# Altium PCB RFID_RC632.PcbDoc
Units mil, origin at the board's own origin, x right, y up, seen from the top; angles counter-clockwise.
Board outline 3937.01 x 3937.01 mil, 2 copper layers (Top Layer, Bottom Layer); 55 components, 50 nets, 180 pads, 1 vias.
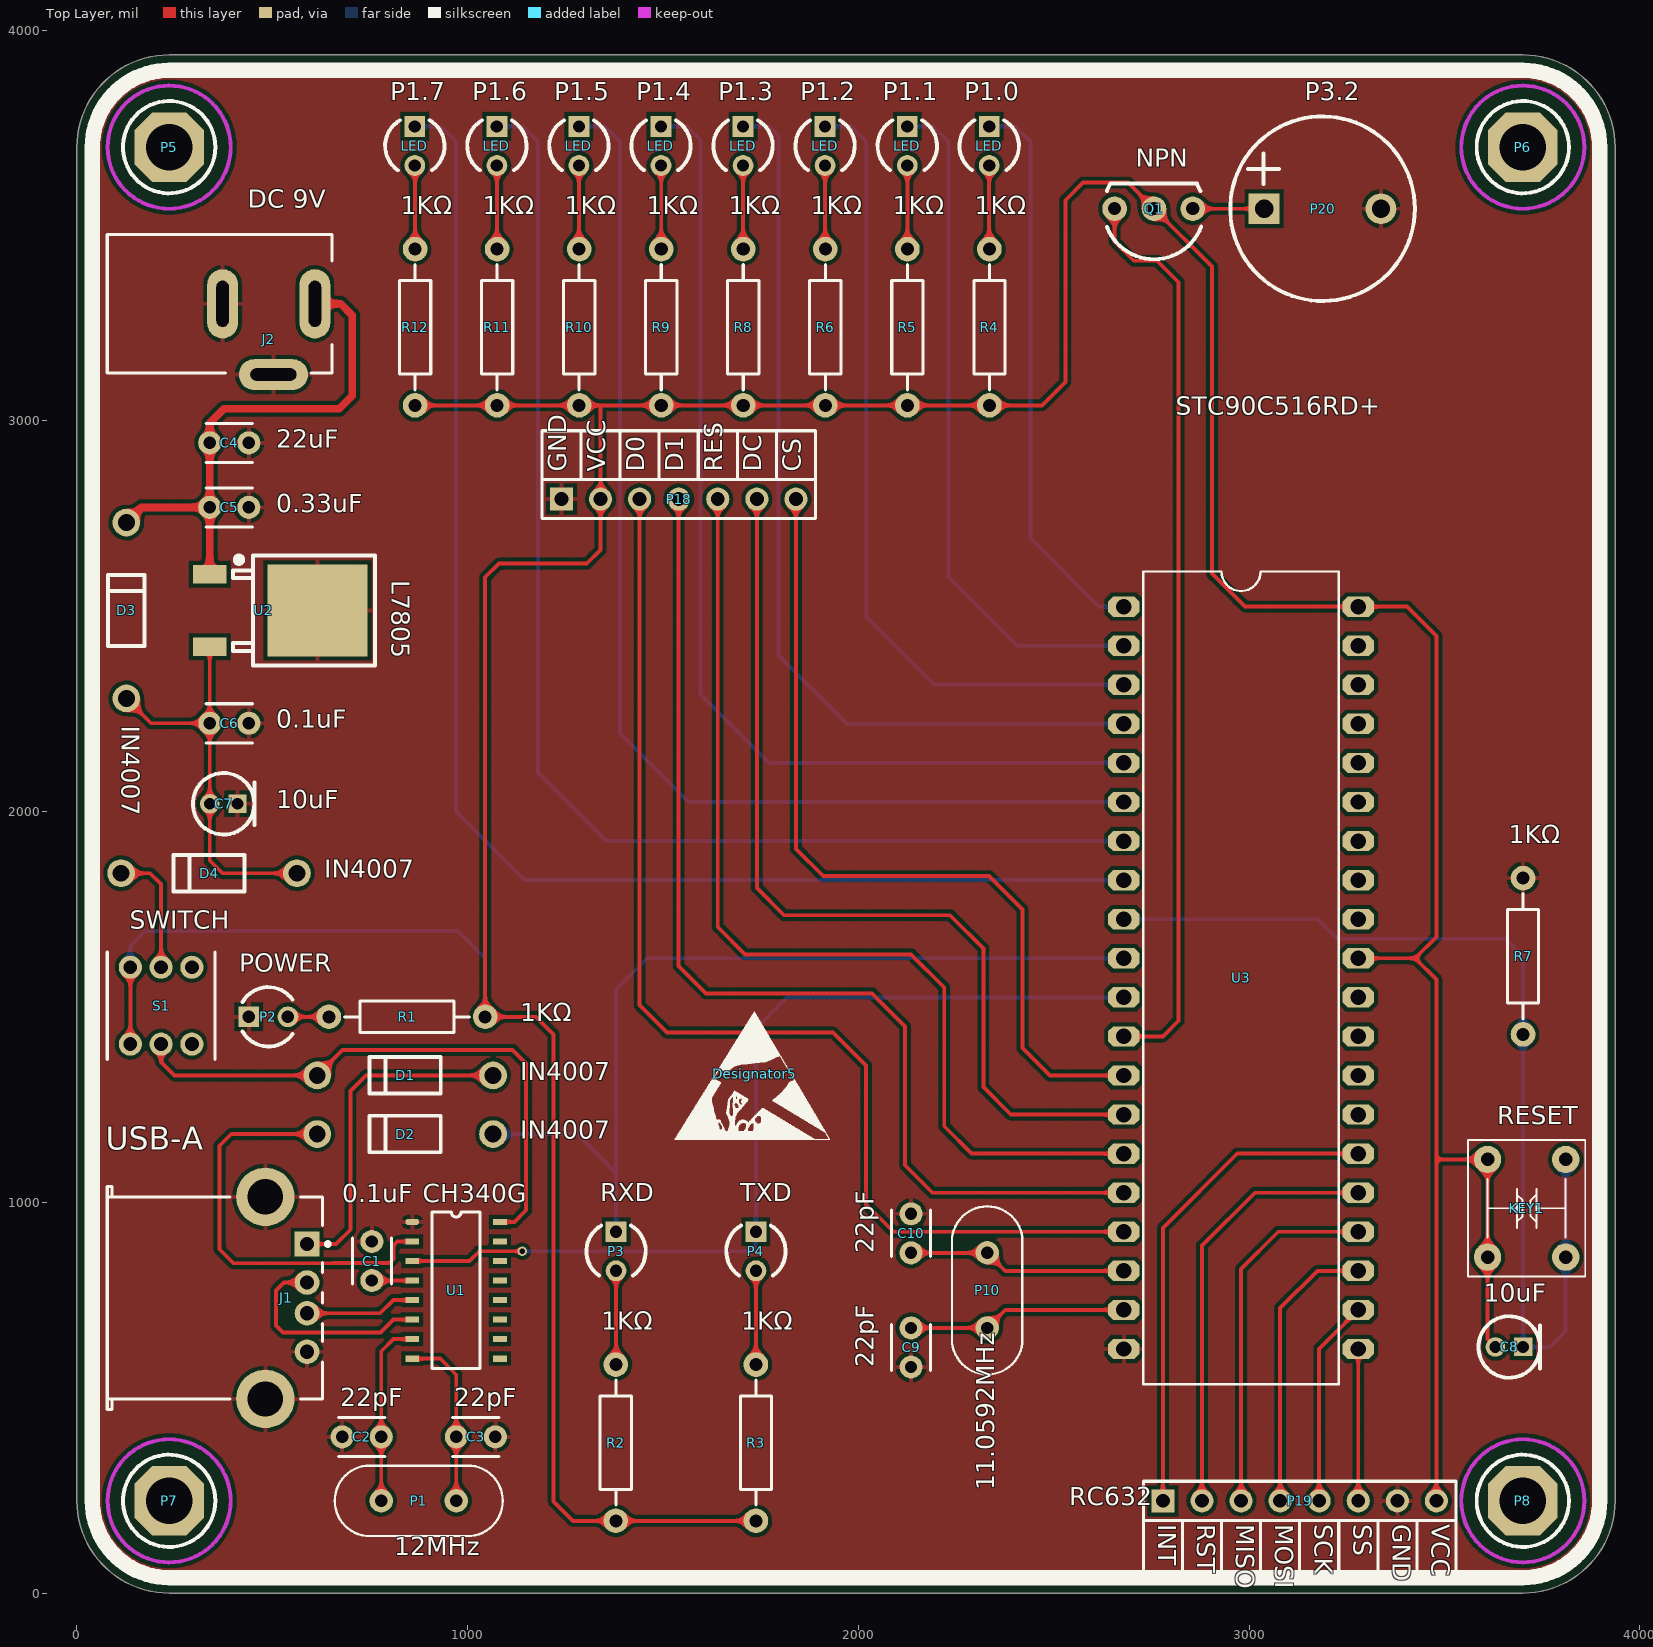
[diagram p0: Top Layer view]
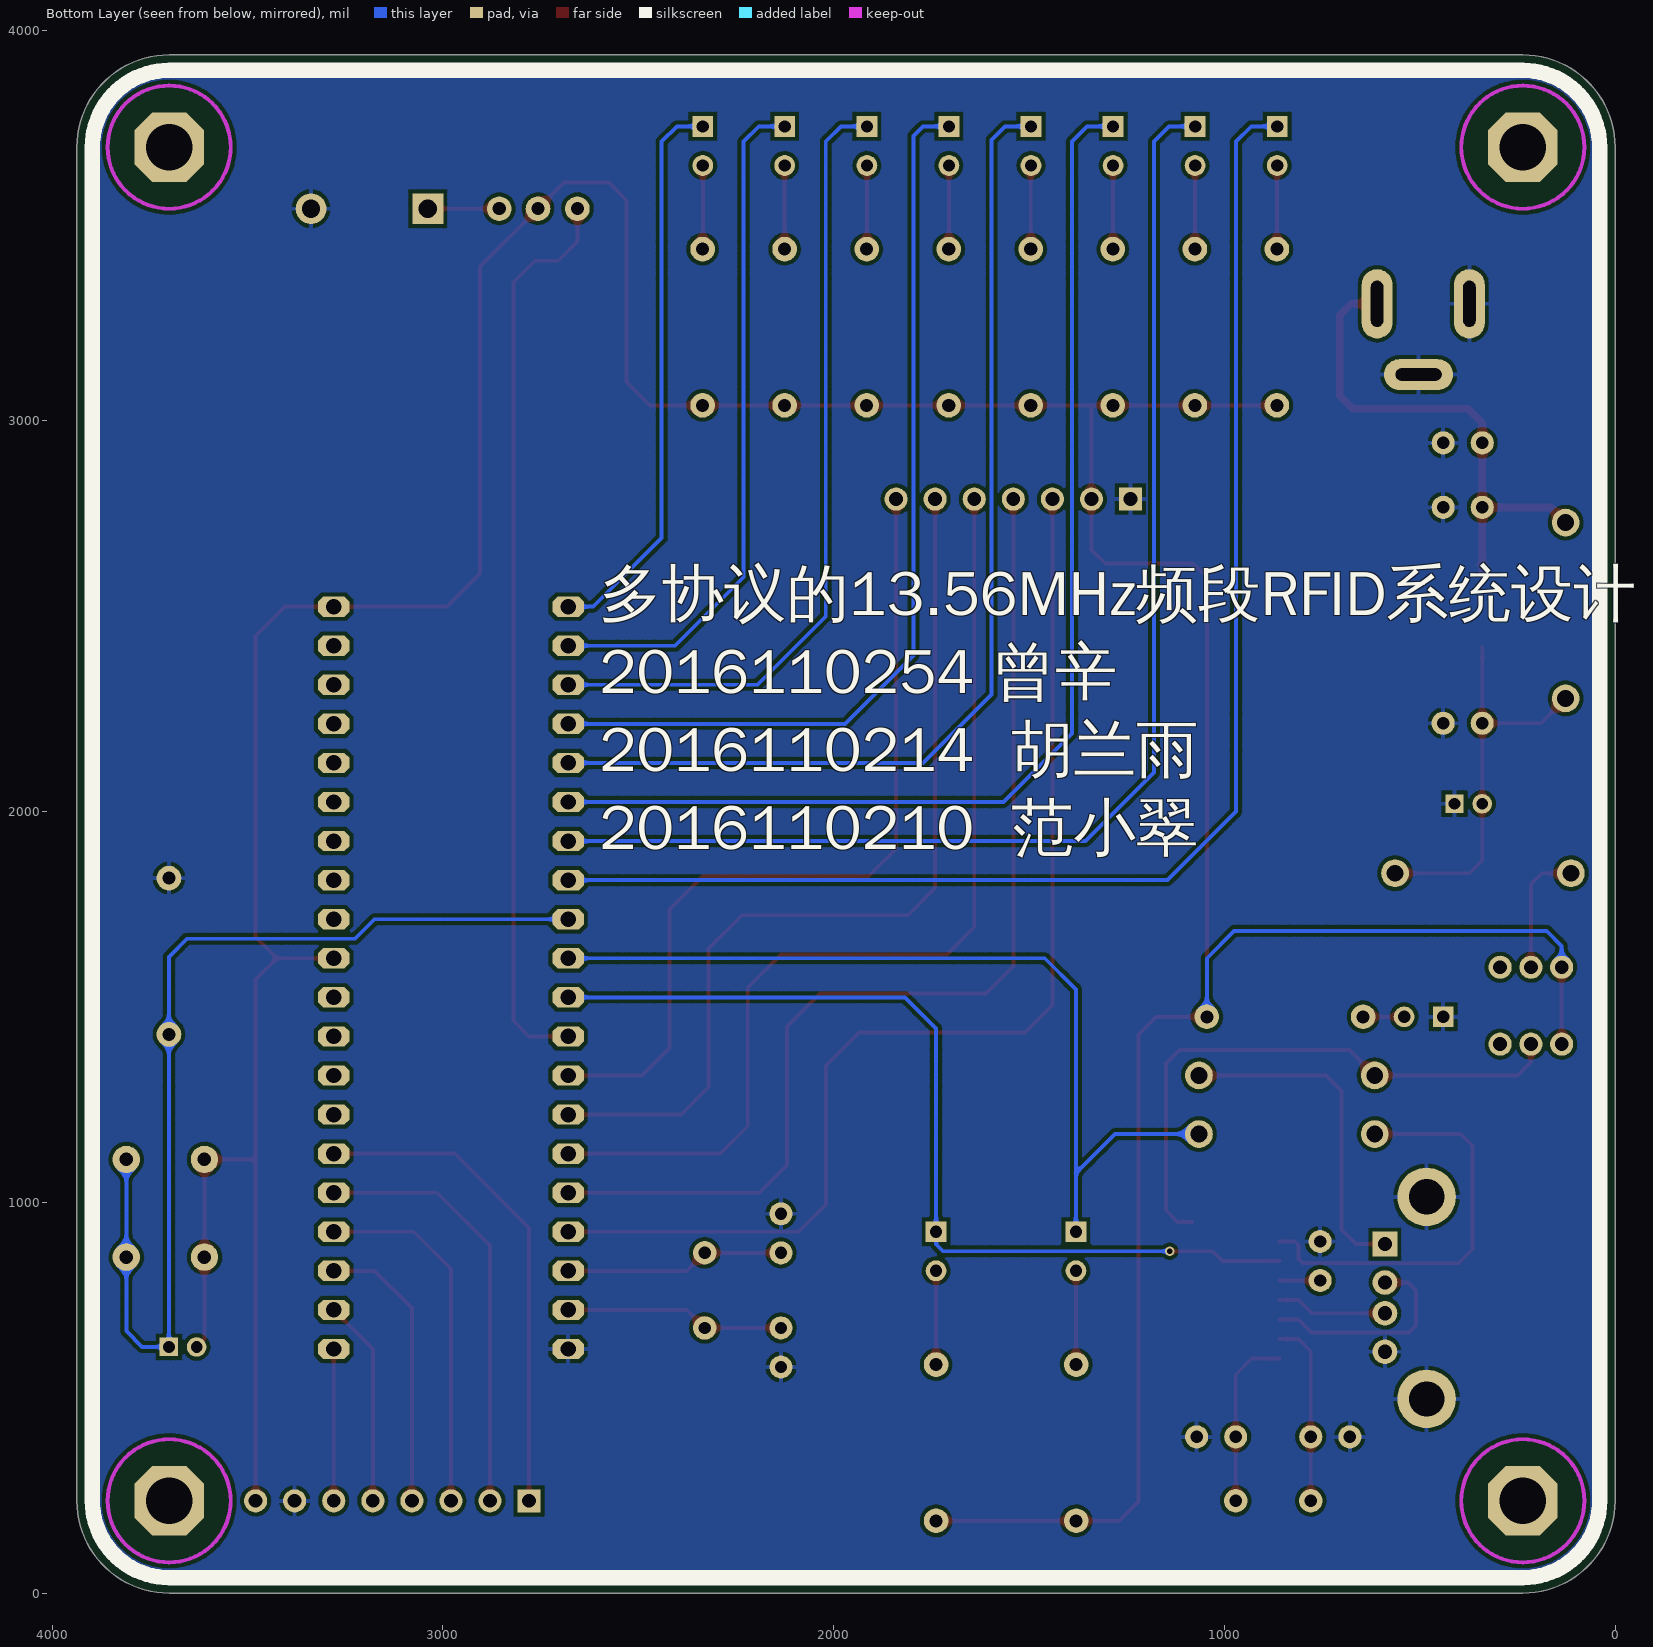
[diagram p1: Bottom Layer view, seen from below]
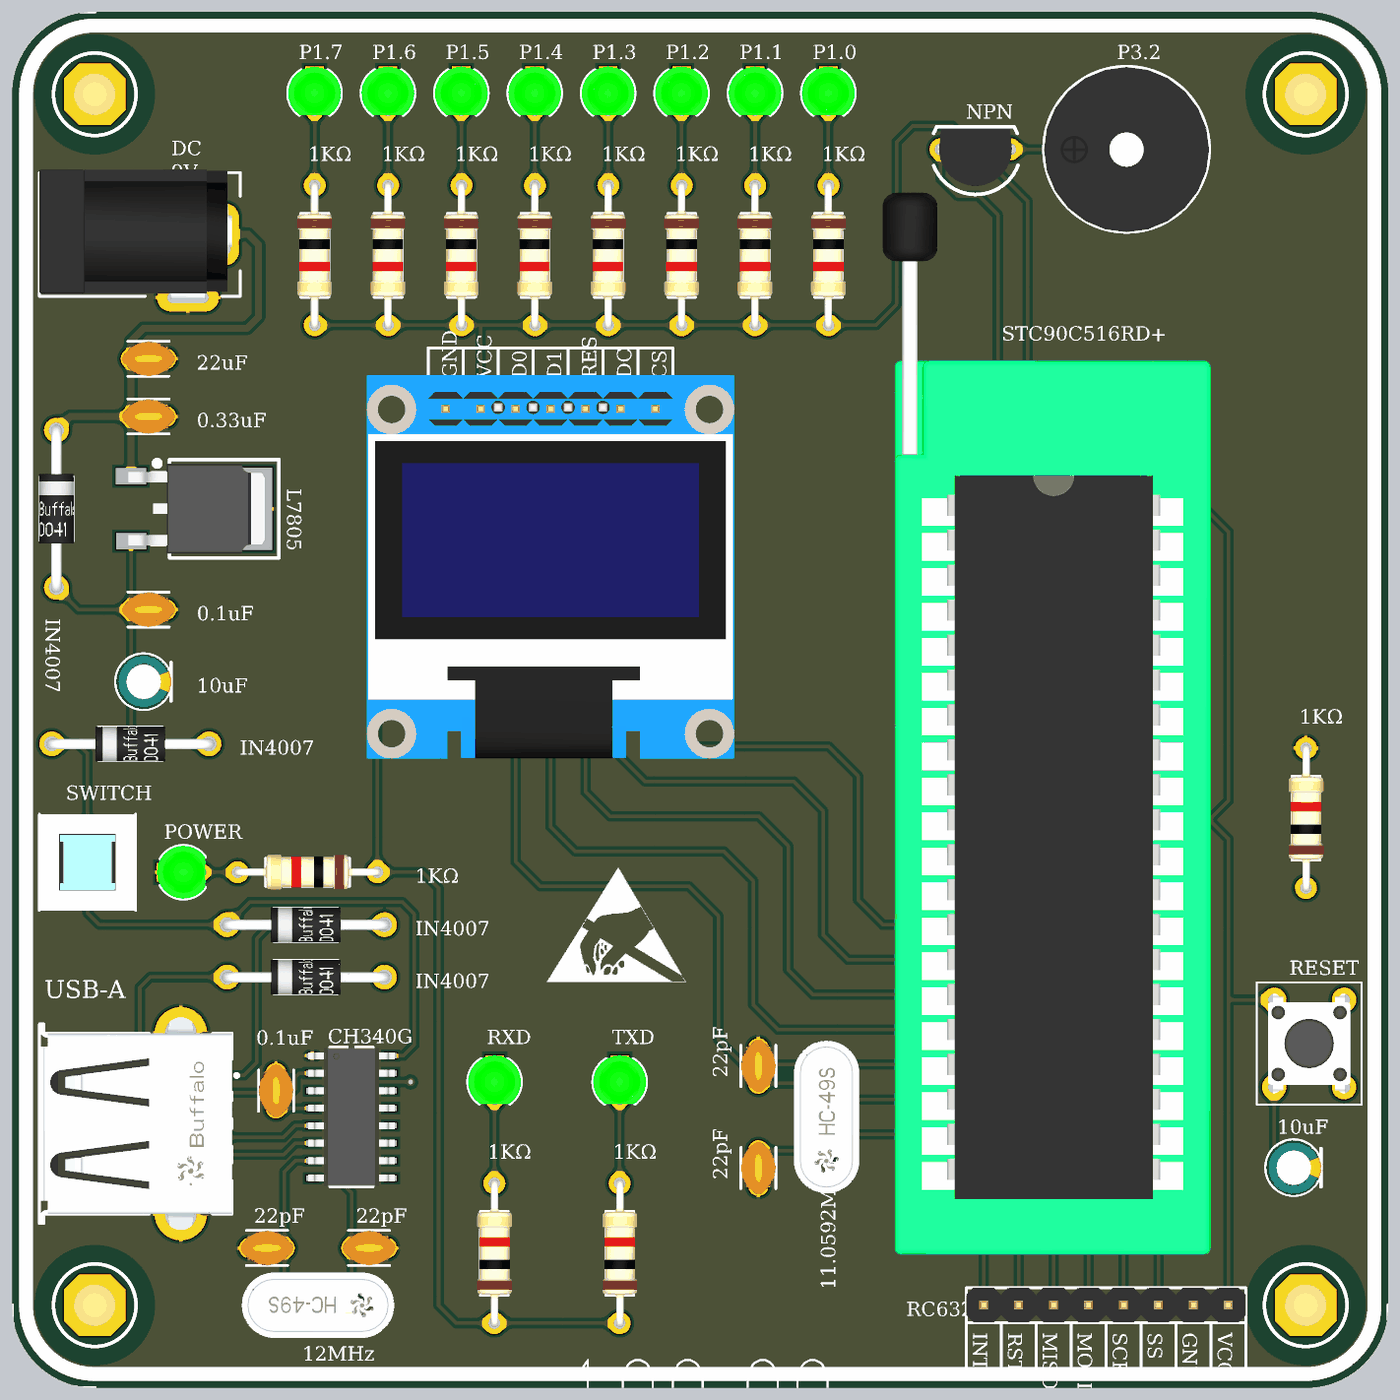
[diagram p2: 3D render of the assembled board from above, using the file's embedded part models]

## Layer stack, top to bottom
Top Solder: solder mask 0.4, Solder Resist, Dk 3.5
Top Layer: signal copper 1.4
Dielectric 1: dielectric 12.6, FR-4, Dk 4.8
Bottom Layer: signal copper 1.4
Bottom Solder: solder mask 0.4, Solder Resist, Dk 3.5

## Board outline
236.22,0 cw(c236.22,236.22) 0,236.22 0,3700.79 cw(c236.22,3700.79) 236.22,3937.01 3700.79,3937.01 cw(c3700.79,3700.79) 3937.01,3700.79 3937.01,236.22 cw(c3700.79,236.22) 3700.79,0

## Design rules (kind name [scope] priority, off if disabled: settings)
Clearance [All] p1: gap=10 ignorepadtopadclearanceinfootprint=FALSE except(0: Arc-Hole Track-Hole SMDPad-Hole THPad-Hole Via-Hole Fill-Hole Poly-Hole Region-Hole Text-Hole)
HoleSize [All] p1: absolutevalues=TRUE maxlimit=150 minlimit=1 maxpercent=80.000 minpercent=20.000
HoleToHoleClearance [All] p1: gap=2 allowstackedmicrovias=TRUE
MinimumSolderMaskSliver [All] p1: minsoldermaskwidth=7
PolygonConnect PolygonConnect_Via [IsVia] p1: connectstyle=Direct reliefconductorwidth=10 reliefentries=4 polygonreliefangle="90 Angle" airgapwidth=10
PolygonConnect [All] p2: connectstyle=Relief reliefconductorwidth=10 reliefentries=4 polygonreliefangle="90 Angle" airgapwidth=10
RoutingVias [All] p1: holewidth=14 width=24 viastyle="Through Hole" minholewidth=14 minwidth=24 maxholewidth=14 maxwidth=24
ShortCircuit [Not Hole] p1: allowed=FALSE
SilkToSilkClearance [All] p1: silktosilkclearance=0
SilkToSolderMaskClearance [IsPad] p1: minsilkscreentomaskgap=0 clearancetoexposedcopper=TRUE
SolderMaskExpansion [All] p1: expansion=4
Width [All] p1: maxlimit=20 minlimit=10 preferedwidth=10
24 further rules are at their usual default settings.

## Classes and differential pairs
component class Hole: P5 P6 P7 P8
component class RFID_RC632: C1 C2 C3 C4 C5 C6 C7 C8 C9 C10 D1 D2 D3 D4 J1 J2 KEY1 LED P2 P3 P4 P5 P6 P7 P8 P10 P18 P19 P20 Q1 R1 R2 R3 R4 R5 R6 R7 R8 R9 R10 R11 R12 S1 U1 U2 U3

## Components (designator, comment, footprint, x,y, rotation, side; value= is the part's Value field where it differs from the comment)
C1 "0.1uF" 普通电容 755,850 r270 top
C2 "22pF" 普通电容 728.94,400 r0 top
C3 "22pF" 普通电容 1021.06,400 r180 top
C4 "22uF" 普通电容 390,2943.99 r180 top
C5 "0.33uF" 普通电容 390,2778.93 r180 top
C6 "0.1uF" 普通电容 390.16,2226.36 r180 top
C7 "10uF" 电解电容 375.6,2020.25 r0 top
C8 "10uF" 电解电容 3665.96,630 r0 top
C9 "22pF" 普通电容 2135,628.74 r90 top
C10 "22pF" 普通电容 2135,920.86 r270 top
D1 "Diode" DIODE 840.16,1325 r180 top
D2 "Diode" DIODE 840.16,1175 r180 top
D3 "Diode" DIODE 126.5,2515 r90 top
D4 "Diode" DIODE 338.17,1842.42 r180 top
Designator5 "Comment" LOGO 1735,1329.5 r180 top
J1 "USB-A" USB-A 77.68,755.63 r180 top
J2 "DC-005" "DC JACK" 77.68,3300 r0 top
KEY1 "SW-66B7" SW-66 3710.53,985 r90 top
LED "LED" LED 865,3703.95 r270 top (schematic designator P17)
LED "LED" LED 1075,3703.95 r270 top (schematic designator P16)
LED "LED" LED 1285,3703.95 r270 top (schematic designator P15)
LED "LED" LED 1495,3703.95 r270 top (schematic designator P14)
LED "LED" LED 1705,3703.95 r270 top (schematic designator P13)
LED "LED" LED 1915,3703.95 r270 top (schematic designator P12)
LED "LED" LED 2125.41,3703.95 r270 top (schematic designator P11)
LED "LED" LED 2335,3703.95 r270 top (schematic designator P9)
P1 "12MHz" 晶振 875,236.22 r180 top
P2 "LED" LED 490,1475 r0 top
P3 "LED" LED 1380,875 r270 top
P4 "LED" LED 1737.99,875 r270 top
P5 "CU-M3X6-10" CU-M3X6-10 236.22,3700.79 r0 top
P6 "CU-M3X6-10" CU-M3X6-10 3700.79,3700.79 r0 top
P7 "CU-M3X6-10" CU-M3X6-10 236.22,236.22 r0 top
P8 "CU-M3X6-10" CU-M3X6-10 3700.79,236.22 r0 top
P10 "XTAL" 晶振 2330,774.8 r90 top
P18 "OLED" OLED 1540.3,2800 r0 top
P19 "Header 8" RFID 3129.61,236.22 r0 top
P20 "BEEP" BEEP 3188.19,3543.31 r0 top
Q1 "KSE13003" "NPN KSE13003" 2755.91,3543.31 r0 top
R1 "1K" 电阻 845,1475 r0 top
R2 "1K" 电阻 1379.39,385 r270 top
R3 "1K" 电阻 1737.99,385 r270 top
R4 "1K" 电阻 2335.61,3240 r90 top
R5 "1K" 电阻 2125.61,3240 r90 top
R6 "1K" 电阻 1915.61,3240 r90 top
R7 "1K" 电阻 3701.39,1630 r270 top
R8 "1K" 电阻 1705.61,3240 r90 top
R9 "1K" 电阻 1495.61,3240 r90 top
R10 "1K" 电阻 1285.61,3240 r90 top
R11 "1K" 电阻 1075.61,3240 r90 top
R12 "1K" 电阻 865.61,3240 r90 top
S1 "SW DPDT" "SW DPDT" 215.47,1503.43 r0 top
U1 "CH340G" CH340G 858.46,950 r0 top
U2 "L7805" L7805 340,2515 r0 top
U3 "STC8951" STC8951 2979.61,1574.8 r0 top

## Footprints (in the part's own frame and the unit in brackets; to place one, negate y for a bottom-side part, rotate by r counter-clockwise, add the part's x,y. Pads: shape width x height; smd on the part's side, far side on the other; paste and mask are expansions set on the pad)
BEEP [mm] "7.62脚距，12x9.5蜂鸣器"
  rect 2x2 hole 1.2: 1(-3.8,0)
  round 2 hole 1.2: 2(3.8,0)
  silkscreen extent -6,-6 6,6, body extent -6,-6.02 6,5.98, height 9.8
CH340G [mm] "USB to TTL Serial / UART"
  oval 0.9x0.4 smd: 1(0,0)
  rect 0.9x0.4 smd: 2(0,-1.27) 3(0,-2.54) 4(0,-3.81) 5(0,-5.08) 6(0,-6.35) 7(0,-7.62) 8(0,-8.89) 9(5.7,-8.89) 10(5.7,-7.62) 11(5.7,-6.35) 12(5.7,-5.08) 13(5.7,-3.81) 14(5.7,-2.54) 15(5.7,-1.27) 16(5.7,0)
  silkscreen extent 1.28,-9.53 4.42,0.64, body extent -0.28,-9.44 5.98,0.56, height 1.55
CU-M3X6-10 [mm] "10mm长M3六角铜柱"
  oct 4.5x4.5 hole 3: Hole(0,0)
  Keep-Out Layer circle w0.254: c0,0 r4
  silkscreen extent -3,-3 3,3, body extent -2.34,-2.7 2.34,2.7, height 5.4
"DC JACK" [mm] "DC Power Jack, 2.5mm, KLD Series, PCB Mount"
  oval 2x4.5 hole 0.8 slot 3 at 90 deg: 1(13.5,0) 2(7.5,0)
  oval 4.5x2 hole 0.8 slot 3 at 0 deg: 3(10.8,-4.6)
  silkscreen extent 0,-4.5 14.6,4.5, body extent 0,-4.72 14,4.73, height 11
DIODE [mm] "二极管封装（针式）"
  round 1.8 hole 1.1: 1(-5.715,0) 2(5.715,0)
  silkscreen extent -2.32,-1.19 2.32,1.19, body extent -6.1,-1.26 6.1,1.29, height 2.78
L7805 [mm] "180度编带包装"
  rect 2.2x1.2 smd: 1(0,2.361) 3(0.004,-2.361)
  rect 6.5x6 smd: 2(7,0)
  silkscreen extent 1.5,-3.57 10.75,3.57, body extent -0.2,-3.27 9.74,3.27, height 2.44
LED [mm]
  round 1.35 hole 0.8: 1(1.27,0)
  rect 1.35x1.35 hole 0.8: 2(-1.27,0)
  silkscreen extent -1.67,-1.93 1.58,1.93, body extent -1.93,-1.93 1.6,1.93, height 5.4
LOGO [mil]
  silkscreen extent -193,-158 204,168
"NPN KSE13003" [mm] "三极管"
  round 1.6 hole 0.85: 1(2.54,0) 2(0.025,0) 3(-2.54,0)
  silkscreen extent -3.04,-3.28 3.1,1.65, body extent -2.82,-2.67 2.82,1.52, height 9.43
OLED [mm] "Connector; Header; 7 Position"
  rect 1.5x1.5 hole 0.9: 1(-7.62,0)
  round 1.5 hole 0.9: 2(-5.08,0) 3(-2.54,0) 4(0,0) 5(2.54,0) 6(5.08,0) 7(7.62,0)
  silkscreen extent -8.89,-1.27 8.89,1.27, body extent -13.35,-25.39 13.35,2.47, height 10
RFID [mm] "Connector; Header; 8 Position"
  rect 1.5x1.5 hole 0.9: 1(-8.89,0)
  round 1.5 hole 0.9: 2(-6.35,0) 3(-3.81,0) 4(-1.27,0) 5(1.27,0) 6(3.81,0) 7(6.35,0) 8(8.89,0)
  silkscreen extent -10.16,-1.27 10.16,1.27, body extent -10.16,-1.23 10.16,1.27, height 9.05
STC8951 [mil]
  oct 80x52 hole 39.37: 1(-300,950) 2(-300,850) 3(-300,750) 4(-300,650) 5(-300,550) 6(-300,450) 7(-300,350) 8(-300,250) 9(-300,150) 10(-300,50) 11(-300,-50) 12(-300,-150) 13(-300,-250) 14(-300,-350) 15(-300,-450) 16(-300,-550) 17(-300,-650) 18(-300,-750) 19(-300,-850) 20(-300,-950) 21(300,-950) 22(300,-850) 23(300,-750) 24(300,-650) 25(300,-550) 26(300,-450) 27(300,-350) 28(300,-250) 29(300,-150) 30(300,-50) 31(300,50) 32(300,150) 33(300,250) 34(300,350) 35(300,450) 36(300,550) 37(300,650) 38(300,750) 39(300,850) 40(300,950)
  silkscreen extent -250,-1040 250,1040, body extent -490,-1195 450,1845, height 696
"SW DPDT" [mm] "自锁开关"
  round 1.5 hole 0.9: 1(-2,-2.5) 2(0,-2.5) 3(2,-2.5) 4(2,2.5) 5(0,2.5) 6(-2,2.5)
  silkscreen extent -3.5,-3.5 3.5,3.5, body extent -3.5,-3.5 3.5,3.5, height 12.6
SW-66 [mil] "6×6轻触开关"
  round 70 hole 34.65: 1(-125,100) 2(-125,-100) 3(125,100) 4(125,-100)
  silkscreen extent -175,-150 175,150, body extent -162,-118 162,118, height 213
USB-A [mm]
  rect 1.6x1.6 hole 0.92: 1(-12.99,-3.5)
  round 1.6 hole 0.92: 2(-12.99,-1) 3(-12.99,1) 4(-12.99,3.5)
  round 3.8 hole 2.3: 5(-10.28,6.57) 6(-10.28,-6.57)
  silkscreen extent -14.47,-7.25 0,7.25, body extent -14,-8.12 0,8.12, height 7.67
普通电容 [mm]
  round 1.5 hole 0.8: 1(-1.27,0) 2(1.27,0)
  silkscreen extent -1.5,-1.27 1.5,1.27, body extent -1.93,-1.27 1.93,1.27, height 5.43
晶振 [mil]
  round 60 hole 31.5: 1(-96.06,0) 2(96.06,0)
  silkscreen extent -215,-90 215,90, body extent -218,-91 218,92, height 146
电解电容 [mm] "电解电容"
  round 1.27 hole 0.762: 1(-0.9,0)
  rect 1.2x1.2 hole 0.762: 2(0.9,0)
  silkscreen extent -2,-2 2,2, body extent -2,-2.01 2.03,2.01, height 7.11
电阻 [mm]
  round 1.6 hole 0.85: 1(-5.08,0) 2(5.08,0)
  silkscreen extent -4.06,-1.02 4.06,1.02, body extent -5.35,-1.24 5.35,1.28, height 2.76

## Part data
C1 C2 C3 C4 C5 C6 C9 C10: library part Cap, "普通电容"
C7 C8: library part 电解电容, "电解电容"
D1 D2 D3 D4: "二极管", PackageDocument=Sep-1996, Code_JEDEC=DO-214-AB, LatestRevisionDate=17-Jul-2002, LatestRevisionNote="Re-released for DXP Platform.", PackageReference=SMC, Published=8-Jun-2000, Publisher="Altium Limited"
J2: library part "DC JACK", "DC 电源座", Manufacturer=Kycon, Fitted=True
LED LED LED LED LED LED LED LED P2 P3 P4: "LED灯"
P1: library part 晶振
P5 P6 P7 P8: "10mm长M3六角铜柱", LatestRevisionDate=17-Jul-2002, LatestRevisionNote="Re-released for DXP Platform.", Publisher="Altium Limited"
P10: library part 晶振, "晶振"
P18: "OLED 0.96寸 SPI", LatestRevisionDate=17-Jul-2002, LatestRevisionNote="Re-released for DXP Platform.", Publisher="Altium Limited"
P19: library part RFID, "Header, 8-Pin", LatestRevisionDate=17-Jul-2002, LatestRevisionNote="Re-released for DXP Platform.", Publisher="Altium Limited"
P20: "圆形蜂鸣器"
Q1: library part "NPN KSE13003", "NPN 三极管", Code_JEDEC=TO-226-AA, LatestRevisionDate=17-Jul-2002, LatestRevisionNote="Re-released for DXP Platform.", PackageReference=TO-226, Published=8-Jun-2000, Publisher="Altium Limited"
R1 R2 R3 R4 R5 R6 R7 R8 R9 R10 R11 R12: library part RES, "电阻"
S1: "自锁开关 （双刀双掷）", LatestRevisionDate=17-Jul-2002, LatestRevisionNote="Re-released for DXP Platform.", PackageReference=SOT23-6, Published=24-Mar-1999, Publisher="Altium Limited"
U1: "USB to TTL Serial / UART"
U2: "1.5A Vin:40V(max) Vout:5-24V -55 ~ 150°C LDO稳压器"
U3: "51单片机"

## Via types
v1: diameter 24, hole 14, Top Layer to Bottom Layer, tented both sides, 1 vias

## Nets (pads, with @x,y where several pads share a name; then routed paths per layer and width w, separated by ;. In a path a pad name is that pad's centre, name@x,y a point inside that pad or via, vN(x,y) a via of type N, cw(c..) or ccw(c..) an arc to the next point about the centre after c; other vN are vias at no path point)
GND: C1.1 C2.1 C3.1 C4.1 C5.1 C6.1 C7.2 C9.1 C10.1 J1.4 J1.5 J1.6 J2.2 J2.3 P2.2 P18.1 P19.7 P20.2 R7.1 U1.1 U2.2 U3.20
NetC1_2: C1.2 U1.4 | length 103.5
  Top Layer w10: C1.2 U1.4
NetC2_2: C2.2 P1.2 U1.7 | length 475.1
  Top Layer w10: P1.2 C2.2 778.94,618.94 810,650 U1.7
NetC3_2: C3.2 P1.1 U1.8 | length 452.3
  Top Layer w10: U1.8 930,600 971.06,558.94 C3.2 P1.1
NetC4_2: C4.2 C5.2 D3.2 J2.1 U2.1 | length 1323.9
  Top Layer w20: D3.2 165.43,2778.93 C5.2 ; U2.1 C5.2 ; J2.1 675,3300 705,3270 705,3065 671.45,3031.45 376.45,3031.45 340,2995 C4.2 C5.2
NetC6_2: C6.2 C7.1 D3.1 D4.1 U2.3 | length 1023.7
  Top Layer w10: D3.1 190.14,2226.36 C6.2 ; U2.3 C6.2 ; D4.1 372.58,1842.42 340.16,1874.84 C7.1 C6.2
NetD1_1: D1.1 J1.1 | length 862.8
  Top Layer w10: J1.1 663.43,893.43 700,930 700,1285 740,1325 D1.1
NetD1_2: D1.2 S1.2 U1.16 | length 1490.3
  Top Layer w10: S1.2 215.47,1359.53 250,1325 D1.2 680.16,1390 1115,1390 1150,1355 1150,980 1120,950 U1.16
NetD2_2: D2.2 U1.2 | length 1079.5
  Top Layer w10: D2.2 395,1175 365,1145 365,880 400.79,844.21 655,844.21 655.31,844.53 799.53,844.53 810,855 810,890 820,900 U1.2
NetD4_2: D4.2 S1.5 | length 326.5
  Top Layer w10: D4.2 187.58,1842.42 215.47,1814.53 S1.5
NetJ1_2: J1.2 U1.6 | length 546.9
  Top Layer w10: J1.2 530,795 510,775 510,685 527.95,667.05 777.05,667.05 810,700 U1.6
NetJ1_3: J1.3 U1.5 | length 283.3
  Top Layer w10: J1.3 776.26,716.26 810,750 U1.5
NetP2_1: P2.1 R1.1 | length 105
  Top Layer w10: P2.1 R1.1
NetP3_1: P3.1 R2.1 | length 241.1
  Top Layer w10: R2.1 1380,585.61 1380,755 ; 1379.39,754.39 1380,755 ; P3.1 1380,755
NetP4_1: P4.1 R3.1 | length 240
  Top Layer w10: R3.1 P4.1
NetP9_1: LED.1@2335,3653.95 R4.2 | length 214.2
  Top Layer w10: LED.1@2335,3653.95 2335,3440.61 R4.2
NetP11_1: LED.1@2125.41,3653.95 R5.2 | length 214
  Top Layer w10: LED.1@2125.41,3653.95 2125.61,3653.76 R5.2
NetP12_1: LED.1@1915,3653.95 R6.2 | length 214.2
  Top Layer w10: LED.1@1915,3653.95 1915,3440.61 R6.2
NetP13_1: LED.1@1705,3653.95 R8.2 | length 214.2
  Top Layer w10: LED.1@1705,3653.95 1705,3440.61 R8.2
NetP14_1: LED.1@1495,3653.95 R9.2 | length 214.2
  Top Layer w10: LED.1@1495,3653.95 1495.61,3653.35 R9.2
NetP15_1: LED.1@1285,3653.95 R10.2 | length 214.2
  Top Layer w10: LED.1@1285,3653.95 1285,3440.61 R10.2
NetP16_1: LED.1@1075,3653.95 R11.2 | length 214.2
  Top Layer w10: LED.1@1075,3653.95 1075,3440.61 R11.2
NetP17_1: LED.1@865,3653.95 R12.2 | length 214.2
  Top Layer w10: LED.1@865,3653.95 865.61,3653.35 R12.2
NetP20_1: P20.1 Q1.1 | length 182.7
  Top Layer w10: Q1.1 P20.1
P1.0: LED.2@2335,3753.95 U3.1 | length 1448.3
  Bottom Layer w10: LED.2@2335,3753.95 2401.35,3753.95 2440.3,3715 2440.3,2700 2615.5,2524.8 U3.1
P1.1: LED.2@2125.41,3753.95 U3.2 | length 1757.9
  Bottom Layer w10: LED.2@2125.41,3753.95 2191.76,3753.95 2230.71,3715 2230.71,2600 2405.91,2424.8 U3.2
P1.2: LED.2@1915,3753.95 U3.3 | length 2068.3
  Bottom Layer w10: LED.2@1915,3753.95 1981.35,3753.95 2020.3,3715 2020.3,2500 2195.5,2324.8 U3.3
P1.3: LED.2@1705,3753.95 U3.4 | length 2386.8
  Bottom Layer w10: LED.2@1705,3753.95 1771.35,3753.95 1795.78,3729.53 1795.78,2400 1970.97,2224.8 U3.4
P1.4: LED.2@1495,3753.95 U3.5 | length 2691
  Bottom Layer w10: LED.2@1495,3753.95 1561.35,3753.95 1595.78,3719.53 1595.78,2300 1770.97,2124.8 U3.5
P1.5: LED.2@1285,3753.95 U3.6 | length 2998.3
  Bottom Layer w10: LED.2@1285,3753.95 1351.35,3753.95 1390.3,3715 1390.3,2200 1565.5,2024.8 U3.6
P1.6: LED.2@1075,3753.95 U3.7 | length 3308.3
  Bottom Layer w10: LED.2@1075,3753.95 1141.35,3753.95 1180.3,3715 1180.3,2100 1355.5,1924.8 U3.7
P1.7: LED.2@865,3753.95 U3.8 | length 3618.3
  Bottom Layer w10: LED.2@865,3753.95 931.35,3753.95 970.3,3715 970.3,2000 1145.5,1824.8 U3.8
P2.0: P19.6 U3.21 | length 388.6
  Top Layer w10: P19.6 U3.21
P2.1: P19.5 U3.22 | length 530
  Top Layer w10: P19.5 3179.61,624.8 U3.22
P2.2: P19.4 U3.23 | length 732.8
  Top Layer w10: P19.4 3079.61,729.61 3174.8,824.8 U3.23
P2.3: P19.3 U3.24 | length 932.8
  Top Layer w10: P19.3 2979.61,829.61 3074.8,924.8 U3.24
P2.4: P19.2 U3.25 | length 1109.4
  Top Layer w10: P19.2 2879.61,889.61 3014.8,1024.8 U3.25
P2.5: P19.1 U3.26 | length 1277.2
  Top Layer w10: P19.1 2779.61,934.61 2969.8,1124.8 U3.26
P3.0: D2.1 P3.2 U3.10 | length 2308.9
  Bottom Layer w10: D2.1 1280,1175 1380,1075 ; P3.2 1380,1075 ; U3.10 1459.8,1624.8 1380,1545 1380,1075
P3.1: P4.2 U1.3 U3.11 | length 2424
  Top Layer w10: U1.3 1005,850 1030,875 v1(1140,875)
  Bottom Layer w10: v1(1140,875) 1720,875 1737.99,892.99 P4.2 1737.99,1445 1817.79,1524.8 U3.11
P3.2: Q1.3 U3.12 | length 2338.5
  Top Layer w10: Q1.3 2655.91,3459.09 2705,3410 2765,3410 2820,3355 2820,1465 2779.8,1424.8 U3.12
P3.3: P18.7 U3.13 | length 2182.6
  Top Layer w10: P18.7 1840.3,1905 1910.3,1835 2335,1835 2420,1750 2420,1395 2490.2,1324.8 U3.13
P3.4: P18.6 U3.14 | length 2382.6
  Top Layer w10: P18.6 1740.3,1805 1810.3,1735 2235,1735 2320,1650 2320,1295 2390.2,1224.8 U3.14
P3.5: P18.5 U3.15 | length 2582.6
  Top Layer w10: P18.5 1640.3,1705 1710.3,1635 2135,1635 2220,1550 2220,1195 2290.2,1124.8 U3.15
P3.6: P18.4 U3.16 | length 2782.6
  Top Layer w10: P18.4 1540.3,1605 1610.3,1535 2035,1535 2120,1450 2120,1095 2190.2,1024.8 U3.16
P3.7: P18.3 U3.17 | length 2982.6
  Top Layer w10: P18.3 1440.3,1505 1510.3,1435 1935,1435 2020,1350 2020,995 2090.2,924.8 U3.17
RST: C8.2 KEY1.2 KEY1.4 R7.2 U3.9 | length 2625.6
  Bottom Layer w10: U3.9 3175.2,1724.8 3225.2,1674.8 3655.2,1674.8 3701.39,1628.61 R7.2 C8.2 3770,630 3810.53,670.53 KEY1.2 KEY1.4
VCC: C8.1 KEY1.1 KEY1.3 P18.2 P19.8 Q1.2 R1.2 R2.2 R3.2 R4.1 R5.1 R6.1 R8.1 R9.1 R10.1 R11.1 R12.1 S1.1 S1.6 U3.31 U3.40 | length 12188
  Top Layer w10: S1.1 S1.6 ; R12.1 R11.1 R10.1 1340,3040 ; R3.2 R2.2 1270,185 1220,235 1220,1430 1175,1475 R1.2 1045,2600 1080,2635 1305,2635 1340.3,2670.3 P18.2 1340.3,3039.7 1340,3040 ; U3.31 3425.2,1624.8 ; P19.8 3479.61,1110 ; C8.1 3610.53,649.99 KEY1.1 KEY1.3 3479.61,1110 ; 1340,3040 R9.1 R8.1 R6.1 R5.1 R4.1 2470,3040 2530,3100 2530,3565 2575,3610 2690.21,3610 Q1.2 2905,3395.21 2905,2610 2990.2,2524.8 U3.40 3404.8,2524.8 3479.61,2450 3479.61,1679.21 3425.2,1624.8 ; 3425.2,1624.8 3479.61,1570.39 3479.61,1110
  Bottom Layer w10: S1.6 136.73,1656.73 175,1695 975,1695 1045,1625 R1.2
XTAL1: C9.2 P10.1 U3.19 | length 563.7
  Top Layer w10: C9.2 P10.1 2376.06,724.8 U3.19
XTAL2: C10.2 P10.2 U3.18 | length 563.7
  Top Layer w10: C10.2 P10.2 2376.06,824.8 U3.18
pads on no net: P5.Hole P6.Hole P7.Hole P8.Hole S1.3 S1.4 U1.9 U1.10 U1.11 U1.12 U1.13 U1.14 U1.15 U3.27 U3.28 U3.29 U3.30 U3.32 U3.33 U3.34 U3.35 U3.36 U3.37 U3.38 U3.39

## Polygon pours and split planes (outlines as drawn)
GND on Top Layer "GND_L01_P000" (hatched 90Degree grid 4 track 5, remove dead copper, pour order 0): 39.37,236.22 39.37,3700.79 cw(c236.22,3700.79) 236.22,3897.64 3700.79,3897.64 cw(c3700.79,3700.79) 3897.64,3700.79 3897.64,236.22 cw(c3700.79,236.22) 3700.79,39.37 236.22,39.37 cw(c236.22,236.22)
GND on Bottom Layer "GND_L02_P002" (hatched 90Degree grid 4 track 5, remove dead copper, pour order 2): 39.37,236.22 39.37,3700.79 cw(c236.22,3700.79) 236.22,3897.64 3700.79,3897.64 cw(c3700.79,3700.79) 3897.64,3700.79 3897.64,236.22 cw(c3700.79,236.22) 3700.79,39.37 236.22,39.37 cw(c236.22,236.22)

## Silkscreen, mask and mechanical layers (free items; w line width, h text height)
Top Overlay:
  lines w7.87: 1190.3,2850 1190.3,2975 1890.3,2975 1890.3,2850 ; 1290.3,2850 1290.3,2975 ; 1390.3,2850 1390.3,2975 ; 1490.3,2850 1490.3,2975 ; 1590.3,2850 1590.3,2975 ; 1690.3,2850 1690.3,2975 ; 1790.3,2850 1790.3,2975 ; 2729.61,39.37 2729.61,186.22 ; 2829.61,39.37 2829.61,186.22 ; 2929.61,39.37 2929.61,186.22 ; 3029.61,39.37 3029.61,186.22 ; 3129.61,39.37 3129.61,186.22 ; 3229.61,39.37 3229.61,186.22 ; 3329.61,39.37 3329.61,186.22 ; 3429.61,39.37 3429.61,186.22 ; 3529.61,39.37 3529.61,186.22
  lines w10: -157.48,0 ccw(c0,0) 0,-157.48
  lines w39.37: 39.37,236.22 ccw(c236.22,236.22) 236.22,39.37 3700.79,39.37 ccw(c3700.79,236.22) 3897.64,236.22 3897.64,3700.79 ccw(c3700.79,3700.79) 3700.79,3897.64 236.22,3897.64 ccw(c236.22,3700.79) 39.37,3700.79 39.37,236.22
  text "P1.7" at 801.73,3805 h80
  text "P1.6" at 1011.73,3805 h80
  text "P1.5" at 1221.73,3805 h80
  text "P1.4" at 1431.73,3805 h80
  text "P1.3" at 1641.73,3805 h80
  text "P1.2" at 1851.73,3805 h80
  text "P1.1" at 2062.14,3805 h80
  text "P1.0" at 2271.73,3805 h80
  text "P3.2" at 3142.53,3805.07 h80
  text "NPN" at 2710.07,3635 h80
  text "DC 9V" at 436.72,3530 h80
  text "1KΩ" at 828.53,3513.94 h80
  text "1KΩ" at 1038.53,3513.94 h80
  text "1KΩ" at 1248.53,3513.94 h80
  text "1KΩ" at 1458.53,3513.94 h80
  text "1KΩ" at 1668.53,3513.94 h80
  text "1KΩ" at 1878.53,3513.94 h80
  text "1KΩ" at 2088.53,3513.94 h80
  text "1KΩ" at 2298.53,3513.94 h80
  text "STC90C516RD+" at 2812.77,3000 h80
  text "22uF" at 509.84,2916.72 h80
  text "GND" at 1267.57,2870 h80 r90
  text "VCC" at 1367.61,2870 h80 r90
  text "D0" at 1467.57,2870 h80 r90
  text "D1" at 1567.5,2870 h80 r90
  text "RES" at 1667.5,2870 h80 r90
  text "DC" at 1767.5,2870 h80 r90
  text "CS" at 1867.5,2870 h80 r90
  text "0.33uF" at 509.84,2751.66 h80
  text "L7805" at 790,2591.92 h80 r270
  text "IN4007" at 99.23,2220.16 h80 r270
  text "0.1uF" at 510.01,2199.09 h80
  text "10uF" at 510.01,1992.98 h80
  text "1KΩ" at 3664.31,1903.94 h80
  text "IN4007" at 633.02,1815.15 h80
  text "SWITCH" at 135.18,1685.65 h80
  text "POWER" at 415.78,1574.58 h80
  text "1KΩ" at 1135,1448.34 h80
  text "IN4007" at 1135,1297.73 h80
  text "RESET" at 3635.96,1185 h80
  text "IN4007" at 1135,1147.81 h80
  text "USB-A" at 73.74,1115 h100
  text "RXD" at 1339.97,987.1 h80
  text "TXD" at 1697.96,987.1 h80
  text "0.1uF" at 679.73,985 h80
  text "CH340G" at 884.72,984.87 h80
  text "22pF" at 2055,870.25 h80 r90
  text "10uF" at 3601.13,730 h80
  text "1KΩ" at 1342.31,658.94 h80
  text "1KΩ" at 1700.91,658.94 h80
  text "22pF" at 2055,578.12 h80 r90
  text "22pF" at 673.57,463.37 h80
  text "22pF" at 965.69,463.37 h80
  text "11.0592MHz" at 2363.6,263.42 h80 r90
  text "RC632" at 2540,209.02 h80
  text "INT" at 2752.41,176.22 h80 r270
  text "RST" at 2852.4,176.22 h80 r270
  text "MISO" at 2952.38,176.22 h80 r270
  text "MOSI" at 3052.36,176.22 h80 r270
  text "SCK" at 3152.35,176.22 h80 r270
  text "SS" at 3252.33,176.22 h80 r270
  text "GND" at 3352.32,176.22 h80 r270
  text "VCC" at 3452.3,176.22 h80 r270
  text "12MHz" at 811.77,81.45 h80
Bottom Overlay:
  lines w39.37: 39.37,236.22 ccw(c236.22,236.22) 236.22,39.37 3700.79,39.37 ccw(c3700.79,236.22) 3897.64,236.22 3897.64,3700.79 ccw(c3700.79,3700.79) 3700.79,3897.64 236.22,3897.64 ccw(c236.22,3700.79) 39.37,3700.79 39.37,236.22
  text "多协议的13.56MHz频段RFID系统设计 / 2016110254 曾辛 / 2016110214  胡兰雨 / 2016110210  范小翠" at 2600,1865 h200
Mechanical 1:
  the board outline again, w10

## Dimensions
236.22,0 to 236.22,3937.01 on Top Overlay
3937.01,236.22 to 0,236.22 on Top Overlay